# Altium PCB PowerSupply-Motherboard.PcbDoc (part 1 of 2)
Units mm, origin at the board's own origin, x right, y up, seen from the top; angles counter-clockwise.
Board outline 100 x 80 mm, 4 copper layers (L1, L2, L3, L4), stack 1.641 mm thick; 152 components, 85 nets, 459 pads, 202 vias.
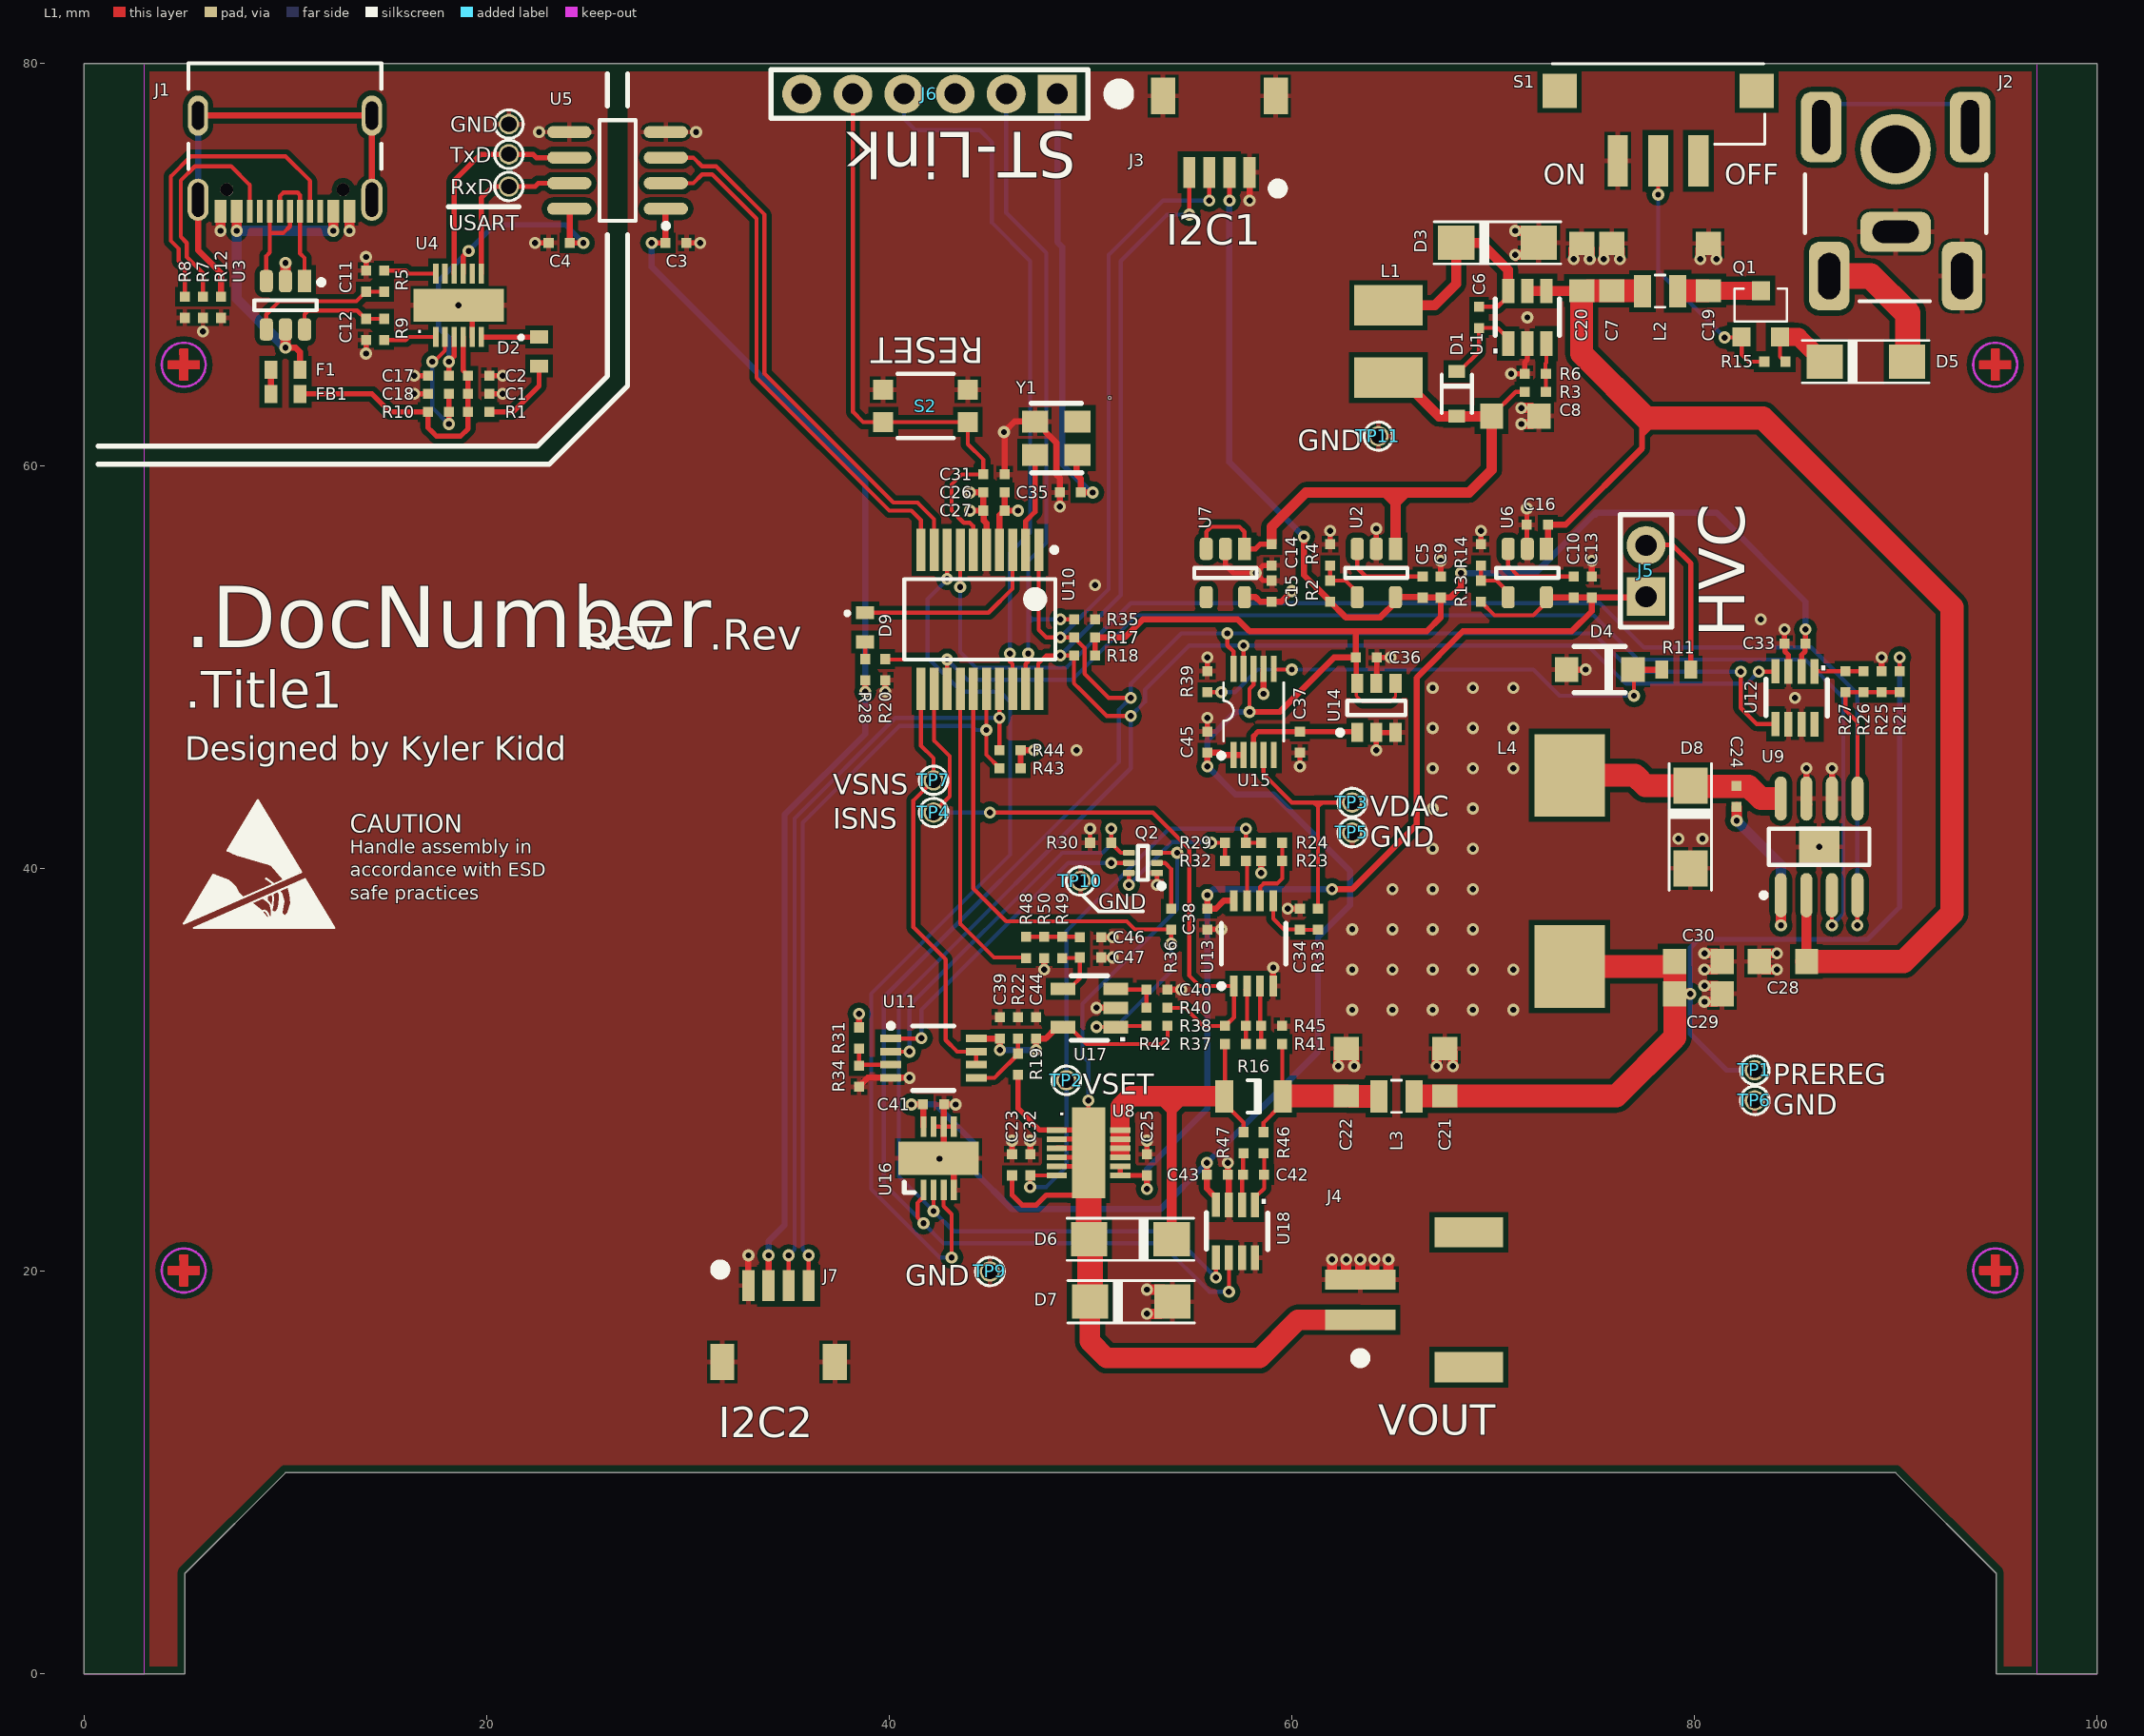
[diagram p0: L1 view]
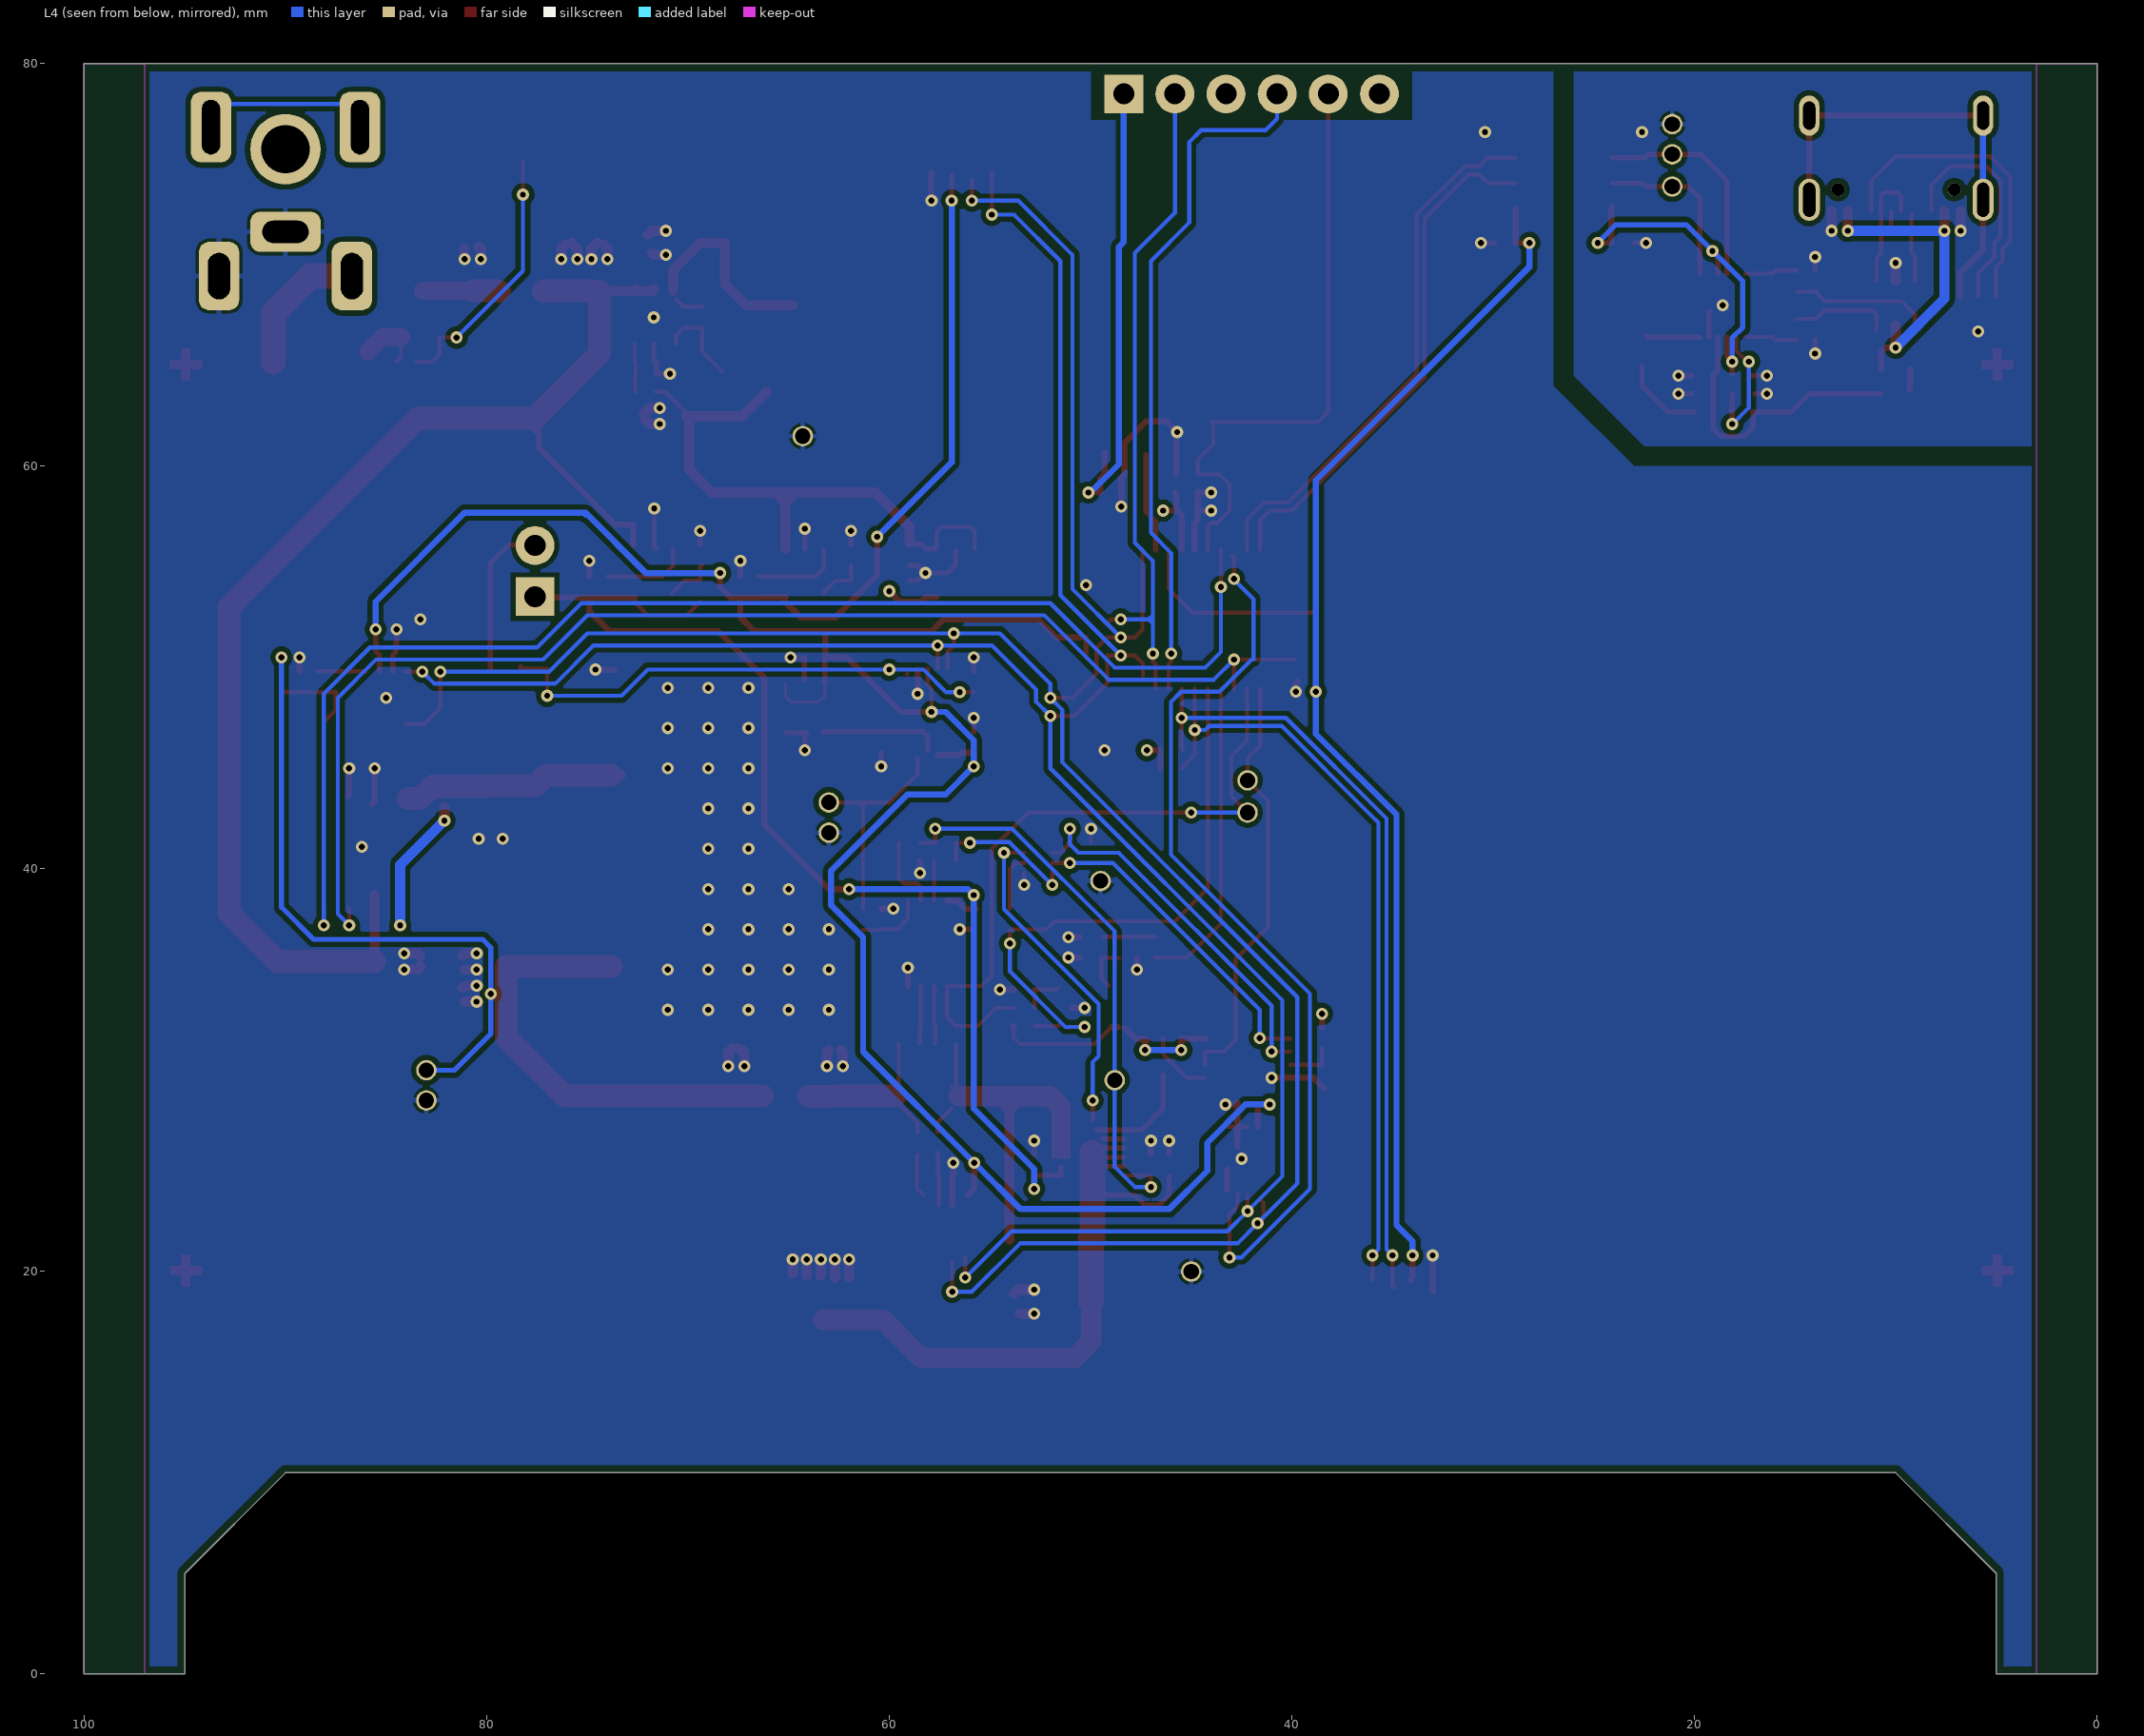
[diagram p1: L4 view, seen from below]
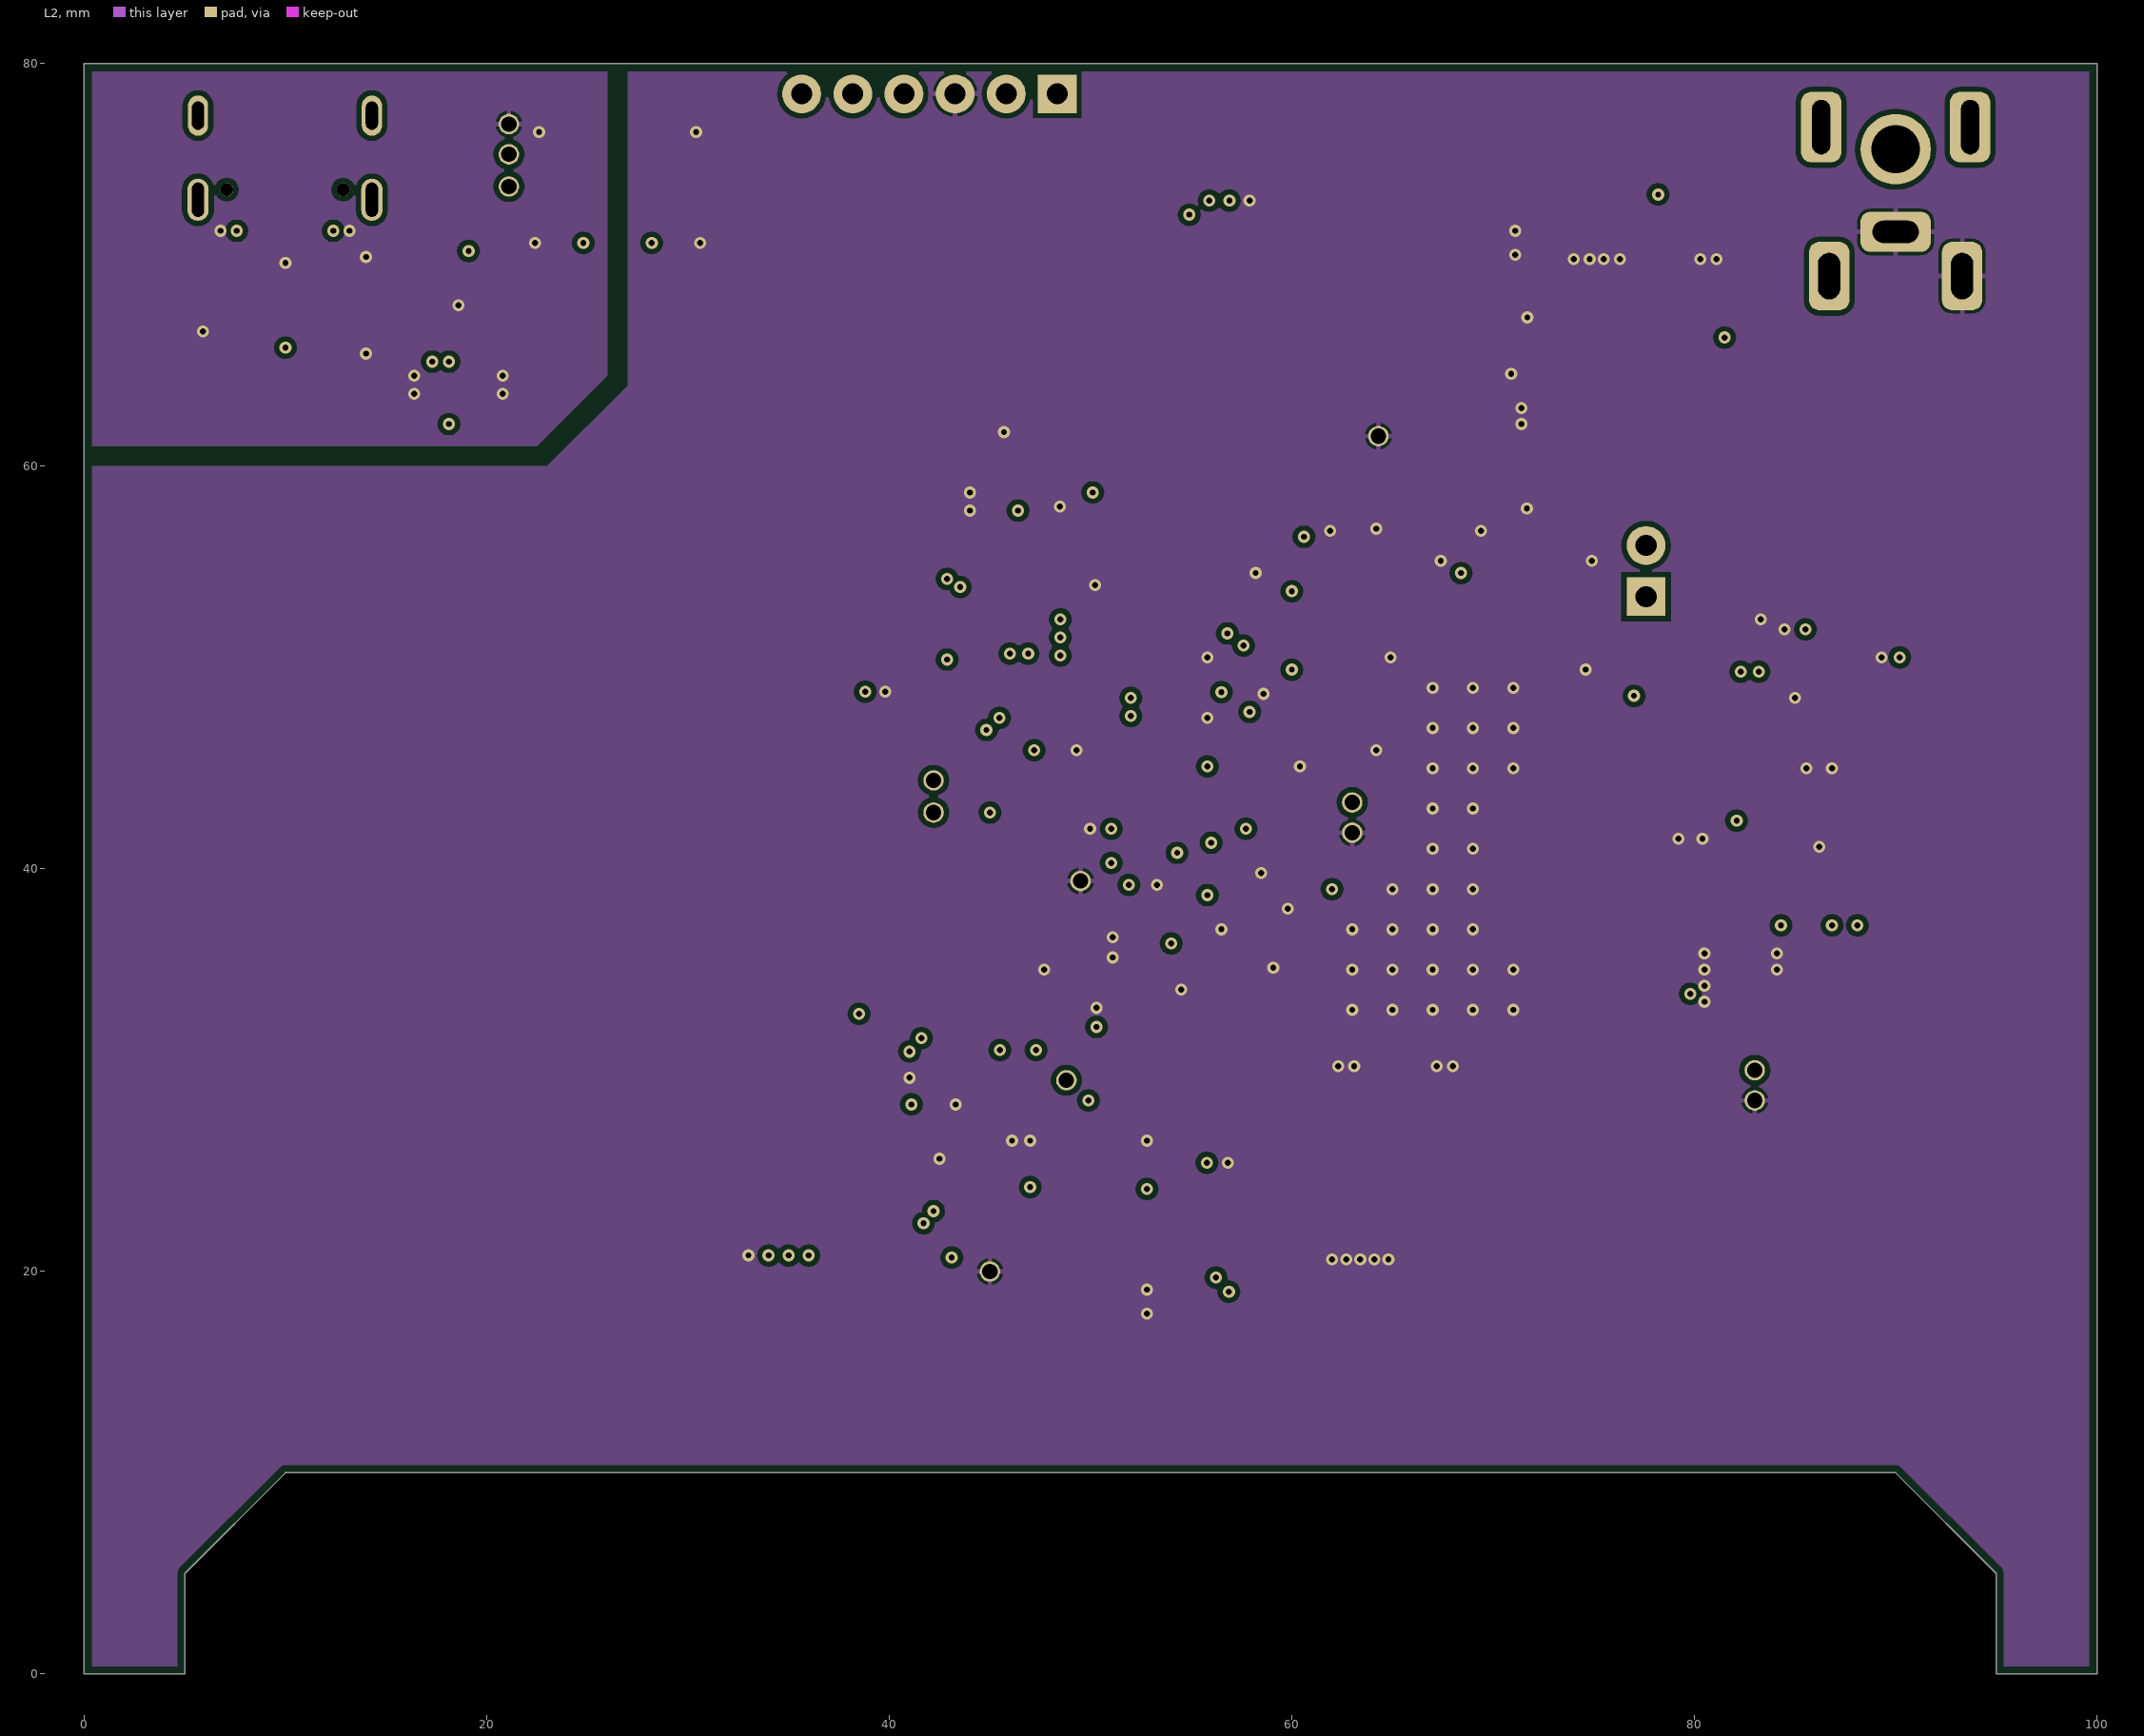
[diagram p2: L2]